# Altium PCB PCB1.PcbDoc (continued)
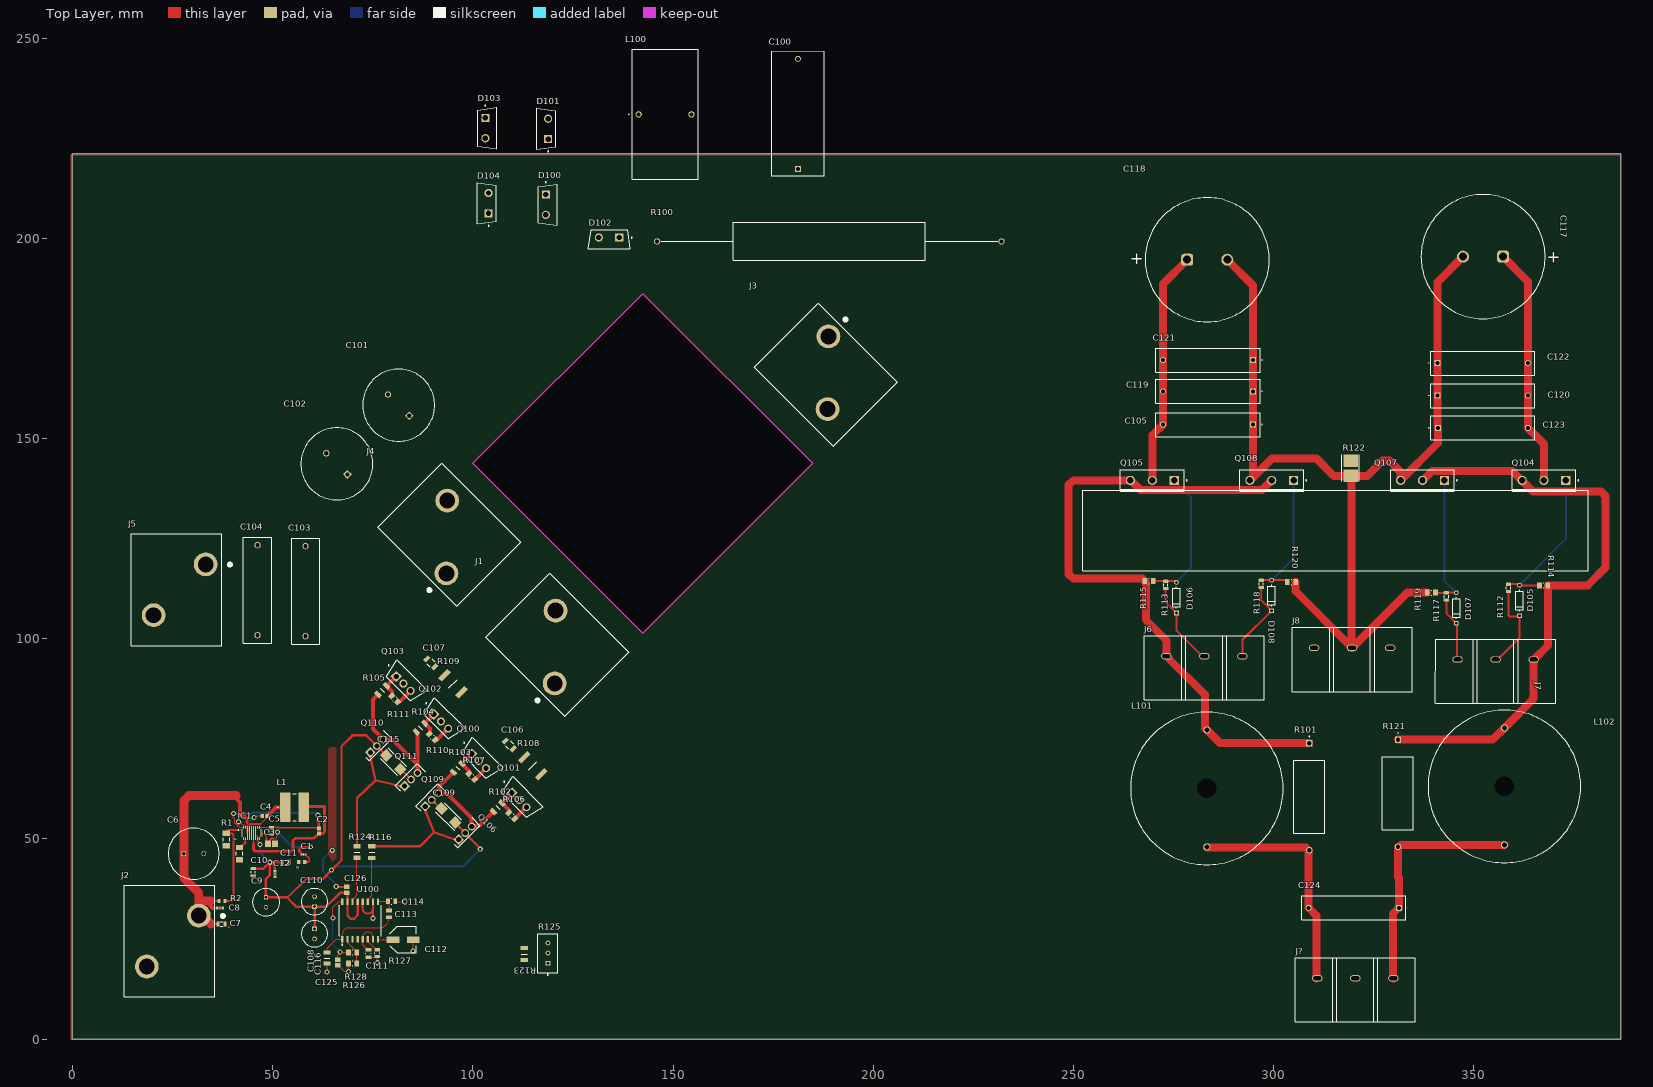
[diagram p0: Top Layer view]
## Footprints (in the part's own frame and the unit in brackets; to place one, negate y for a bottom-side part, rotate by r counter-clockwise, add the part's x,y. Pads: shape width x height; smd on the part's side, far side on the other; paste and mask are expansions set on the pad) (continued)
  rect 1.1x1.8 smd: 1(-1.45,0) 2(1.45,0)
  silkscreen extent 0,-0.7 0,0.7, body extent -1.55,-0.8 1.55,0.8, height 0.65
RESC3216X60N [mm]
  rect 1.05x1.8 smd: 1(-1.5,0) 2(1.5,0)
  silkscreen extent 0,-0.7 0,0.7, body extent -1.42,-0.74 1.78,0.86, height 0.55
RESC3216X60X45ML15T20 [mm] "Chip Resistor, 2-Leads, Body 3.3x1.75mm, IPC Low Density"
  rect 1.35x1.85 smd: 1(-1.525,0) 2(1.525,0)
  silkscreen extent -0.45,-0.82 0.45,0.82, body extent -1.65,-0.87 1.65,0.87, height 0.6
RESC6332X70N [mm]
  rect 1.25x3.35 smd: 1(-3,0) 2(3,0)
  silkscreen extent 0,-1.47 0,1.47, body extent -3.15,-1.58 3.15,1.58, height 0.7
SQP10AJB100R [mm]
  round 1.575 hole 1.05: 1(0,0) 2(86,0)
  silkscreen extent 1,-4.75 85,4.75
TO229P290X760X1320-3P [mm]
  rect 1.92x1.92 hole 1.28: 1(0,0)
  round 1.92 hole 1.28: 2(2.29,0) 3(4.58,0)
  silkscreen extent -1.61,-1.19 6.19,1.71, body extent -1.51,-1.19 6.09,1.71, height 13.2
TPS55289RYQR [mm]
  rect 0.6x0.25 smd: 1(-2.4,0.75) 2(-2.4,0.25) 3(-2.4,-0.25) 4(-2.4,-0.75) 14(2.4,-0.75) 15(2.4,-0.25) 16(2.4,0.25) 17(2.4,0.75)
  rect 0.25x0.65 smd: 5(-2.04,-1.375) 13(2.04,-1.375) 18(2.04,1.375) 21(-2.04,1.375)
  rect 0.25x0.6 smd: 6(-1.54,-1.4) 12(1.54,-1.4) 19(1.54,1.4) 20(-1.54,1.4)
  rect 0.25x3.4 smd: 7(-1.04,0) 8(-0.54,0) 10(0.54,0) 11(1.04,0)
  rect 0.25x0.525 smd: 9(0,-1.438) 23(0,1.438)
  rect 0.33x2.35 smd: 22(0,0)
  silkscreen extent -3.3,0.7 -3.2,0.8, body extent -2.5,-1.5 2.5,1.5, height 1
VISH-TO-247AC-3 [mm] "FM, 3-Leads, Body 15.9x5.35mm, Pitch 5.46mm"
  rect 2.3x2.3 hole 1.6: 1(0,5.46)
  round 2.3 hole 1.6: 2(0,0) 3(0,-5.46)
  silkscreen extent -2.67,-7.95 2.74,8.72, body extent -2.64,-7.95 2.71,7.95, height 25.11
WCAP-AIG8_D30H30 [mm] "Aluminium Electrolytic Snap-In Capacitors, 30x30mm"
  rrect50% 3x3 hole 2: 1(5,0)
  round 3 hole 2: 2(-5,0)
  silkscreen extent -15.5,-15.5 15.5,15.5, body extent -21.21,-21.2 21.2,21.21, height 30.19

## Part data
C1: library part CMP-001-00066-3, "Chip Capacitor, 1nF +/-20%, 50V, 0402, Thickness 0.33 mm", Case/Package=0402, Max Operating Temperature=85°C, Min Operating Temperature=-55°C, Tolerance=10%, Voltage Rating=50V, Mounting Technology=SMT, Pins=2
C2 C4: library part CMP-001-00017-6, "Chip Capacitor, 100 nF, +/- 10%, 50 V, 0603 (1608 Metric)", Capacitor Type=Ceramic, Case/Package=0603, Max Operating Temperature=125°C, Min Operating Temperature=-55°C, Tolerance=10%, Voltage Rating=50V, Mounting Technology=SM, Pins=2, RoHS Compliant=True
C3: library part CMP-001-00010-6, "Chip Capacitor, 5.1pF, +/-10%, 250 V, 0805 (2012 Metric)", Capacitor Type=Ceramic, Case/Package=0805, Max Operating Temperature=125°C, Min Operating Temperature=-55°C, Tolerance=10%, Voltage Rating=25V, Mounting Technology=SM, Pins=2, RoHS Compliant=True
C5: library part CMP-001-00080-4, "Chip Capacitor, 4.7µF +/-40%, 25V, 0805, Thickness 1.45 mm", Case/Package=0805, Max Operating Temperature=85°C, Min Operating Temperature=-55°C, Tolerance=20%, Voltage Rating=25V, Mounting Technology=SMT, Pins=2
C6: library part UPW0J222MHD, "56uF 250V Aluminum Electrolytic Capacitors Through Hole,D12.5xL20mm 10000hrs@105℃", Manufacturer_Name=Nichicon, Mouser Part Number=647-UPW0J222MHD, Datasheet Link=https://componentsearchengine.com/Datasheets/1/UPW0J222MHD.pdf, Height=20mm, Manufacturer_Part_Number=UPW0J222MHD, Mouser Price/Stock=https://www.mouser.co.uk/ProductDetail/Nichicon/UPW0J222MHD?qs=xKlMw8j03VdQkAIq%2FPYnUg%3D%3D
C7 C10 C11: library part CMP-001-00081-4, "Chip Capacitor, 22µF +/-20%, 25V, 0805, Thickness 1.45 mm X5R", Case/Package=0805, Max Operating Temperature=85°C, Min Operating Temperature=-55°C, Tolerance=5%, Voltage Rating=16V, Mounting Technology=SMT, Pins=2
C8 C12: library part CMP-001-00078-4, "Chip Capacitor, 1µF +/-40%, 50V, 0603, Thickness 1 mm", Case/Package=0603, Max Operating Temperature=85°C, Min Operating Temperature=-55°C, Tolerance=10%, Voltage Rating=50V, Mounting Technology=SMT, Pins=2
C9: library part MAL203856101E3, "100uF 35V Aluminum Electrolytic Capacitors Through Hole,D6.3xL11mm 6000hrs@105℃", Manufacturer_Name=Vishay, Mouser Part Number=594-MAL203856101E3, Arrow Part Number=MAL203856101E3, Arrow Price/Stock=https://www.arrow.com/en/products/mal203856101e3/vishay, Datasheet Link=https://componentsearchengine.com/Datasheets/2/MAL203856101E3.pdf, Height=12.5mm, Manufacturer_Part_Number=MAL203856101E3, Mouser Price/Stock=https://www.mouser.co.uk/ProductDetail/Vishay-BC-Components/MAL203856101E3?qs=G99oyVYclWUG3wiHKtPKfA%3D%3D
C100: library part ECW-FE2J225P5, "C3D1U405KB00C00", Manufacturer_Name=Panasonic, Datasheet Link=https://industrial.panasonic.com/cdbs/www-data/pdf/RDI0000/ABD0000C202.pdf, Height=23.5mm, Manufacturer_Part_Number=ECW-FE2J225P5
C101 C102: library part EEU-FC1V152S, "35ZLH1500MEFC12.5X30", Manufacturer_Name=Panasonic, Mouser Part Number=667-EEU-FC1V152S, Arrow Part Number=EEU-FC1V152S, Arrow Price/Stock=https://www.arrow.com/en/products/eeu-fc1v152s/panasonic, Datasheet Link=http://industrial.panasonic.com/cdbs/www-data/pdf/RDF0000/ABA0000C1209.pdf, Height=22mm, Manufacturer_Part_Number=EEU-FC1V152S, Mouser Price/Stock=https://www.mouser.com/Search/Refine.aspx?Keyword=667-EEU-FC1V152S
C103 C104: library part R75IN41004040J, "C322C105J60C350", Manufacturer_Name="Yageo Group", Mouser Part Number=80-R75IN41004040J, Datasheet Link=https://www.yageogroup.com/content/datasheet/asset/file/KEM_F3106_R75, Height=16mm, Manufacturer_Part_Number=R75IN41004040J, Mouser Price/Stock=https://www.mouser.co.uk/ProductDetail/KEMET/R75IN41004040J?qs=pfd5qewlna63QSQqVCHX%2Fw%3D%3D
C105 C119 C120 C123: library part 222233915224, "220nF Film Capacitor ±5% 630V Through Hole P=22.5mm", Manufacturer_Name=Vishay, Mouser Part Number=N/A, Datasheet Link=https://www.vishay.com/docs/28138/mkp339x2.pdf, Height=15.5mm, Manufacturer_Part_Number=222233915224, Mouser Price/Stock=https://www.mouser.co.uk/ProductDetail/Vishay-BC-Components/222233915224?qs=vkgpMzy1B9Fp9IMdtZOLlw%3D%3D
C106 C107: library part CMP-03020-021254-1, "CAP CER 4700PF 100V 10% X7R 1206 / CC1206KRX7R0BB472", Capacitance="4,700 pF", Manufacturer=KEMET, Manufacturer Part Number=C1206C472K1RACTU, Package=C1206C-EB, Temperature="-55°C to +150°C", Temperature Characteristic=X7R, Temperature Coefficient=15%, Temperature Range High=+150°C, Temperature Range Low=-55°C, Tolerance=0.1, Voltage Rating="100 V", Automotive=Yes, Automotive Grade="Grade 0", Category=Cap, ComponentLink2Description=Datasheet, ComponentLink2URL=https://content.kemet.com/datasheets/KEM_C1007_X8R_ULTRA_150C_SMD.pdf, Device Class L1="Passive Components", Device Class L2=Capacitors, Device Class L3="Ceramic Capacitors", Digikey Description="CAP CER 4700PF 100V 10% X7R 1206", Height=0.88mm, Ipc Land Pattern Name=CAPC320160X78, Lead Free=Yes, Material=Ceramic, Mouser Description="1206 4.7nF Ceramic Multilayer Capacitor; 100V dc; 125C; X7R Dielectric; +/-10% SMD", Octopart=https://octopart.com/c1206c472k1ractu-kemet-3865440, RoHS=TRUE
C108 C110: library part EEU-FC1V470, "EEU-FC1V470", Manufacturer_Name=Panasonic, Mouser Part Number=667-EEU-FC1V470, Arrow Part Number=EEU-FC1V470, Arrow Price/Stock=https://www.arrow.com/en/products/eeu-fc1v470/panasonic?region=nac, Datasheet Link=http://industrial.panasonic.com/cdbs/www-data/pdf/RDF0000/ABA0000C1209.pdf, Height=12.2mm, Manufacturer_Part_Number=EEU-FC1V470, Mouser Price/Stock=https://www.mouser.co.uk/ProductDetail/Panasonic/EEU-FC1V470?qs=LcHzz5wiUnXQHudKE6FiUA%3D%3D
C109 C115: "Capacitor Polarised", Manufacturer_Name=Vishay, Mouser Part Number=74-293D226X9025C2TE3, Arrow Part Number=293D226X9025C2TE3, Arrow Price/Stock=https://www.arrow.com/en/products/293d226x9025c2te3/vishay?utm_currency=USD&region=nac, Datasheet Link=http://www.vishay.com/docs/40002/293d.pdf, Height=2.8mm, Manufacturer_Part_Number=293D226X9025C2TE3, Mouser Price/Stock=https://www.mouser.co.uk/ProductDetail/Vishay-Sprague/293D226X9025C2TE3?qs=dG4nGvFc7P9WRSkI1DdLhQ%3D%3D
C111: library part CMP-1036-03591-2, "CAP CER 4700PF 50V X7R 0805", Capacitance="4.7 nF", Manufacturer=Yageo, Package=CC0805-0.85, Temperature="-30°C to +85°C", Temperature Characteristic=X7R, Temperature Range High=+85°C, Temperature Range Low=-30°C, Tolerance=0.1, Voltage Rating="50 V", Automotive=No, Category=Cap, ComponentLink2Description=Datasheet, ComponentLink2URL=http://www.yageo.com/documents/recent/UPY-GPHC_Y5V_6.3V-to-50V_8.pdf, Device Class L1="Passive Components", Device Class L2=Capacitors, Device Class L3="Ceramic Capacitors", Digikey Description="CAP CER 4700PF 50V X7R 0805", Footprint Url=http://www.yageo.com/exep/pages/download/literatures/UPY-C_GEN_24.pdf, Height=0.95mm, Ipc Land Pattern Name=CAPC200125X85, Lead Free=Yes, Manufacturer Part Number=CC0805KRX7R9BB472, Material=Ceramic, Mouser Description="Multilayer Ceramic Capacitors MLCC - SMD/SMT 4.7nF 50V X7R 10%", Octopart=https://octopart.com/cc0805krx7r9bb472-yageo-192986, RoHS=TRUE
C112: library part EEE-1VA101XP, "EEE-1VA101XP", Manufacturer_Name=Panasonic, Mouser Part Number=667-EEE-1VA101XP, Arrow Part Number=EEE-1VA101XP, Arrow Price/Stock=https://www.arrow.com/en/products/eee-1va101xp/panasonic?region=europe, Datasheet Link=http://industrial.panasonic.com/cdbs/www-data/pdf/RDE0000/ABA0000C1145.pdf, Height=7.8mm, Manufacturer_Part_Number=EEE-1VA101XP, Mouser Price/Stock=https://www.mouser.co.uk/ProductDetail/Panasonic/EEE-1VA101XP?qs=wEytwf7f49FM0EqQXrBRGQ%3D%3D
C113: library part GRM21BR71H473KA01L, "GRM21BR71H473KA01L", Manufacturer_Name="Murata Electronics", Mouser Part Number=81-GRM40X473K50L, Arrow Part Number=GRM21BR71H473KA01L, Arrow Price/Stock=https://www.arrow.com/en/products/grm21br71h473ka01l/murata-manufacturing?region=europe, Datasheet Link=https://search.murata.co.jp/Ceramy/image/img/A01X/G101/ENG/GRM21BR71H473KA01-01.pdf, Height=1.45mm, Manufacturer_Part_Number=GRM21BR71H473KA01L, Mouser Price/Stock=https://www.mouser.co.uk/ProductDetail/Murata-Electronics/GRM21BR71H473KA01L?qs=sMEX%2F0vXHgl0Nq00%252BwNcXQ%3D%3D
C114: library part CMP-1036-03842-3, "CAP CER 10000PF 50V X7R 0805 / CC0805KRX7R9BB103", Capacitance="10 nF", Manufacturer=Yageo, Manufacturer Part Number=CC0805KRX7R9BB103, Package=CC0805-0.85, Temperature="-30°C to +85°C", Temperature Characteristic=X7R, Temperature Range High=+85°C, Temperature Range Low=-30°C, Tolerance=0.1, Voltage Rating="50 V", Automotive=No, Category=Cap, ComponentLink2Description=Datasheet, ComponentLink2URL=http://www.yageo.com/documents/recent/UPY-GPHC_Y5V_6.3V-to-50V_8.pdf, Device Class L1="Passive Components", Device Class L2=Capacitors, Device Class L3="Ceramic Capacitors", Digikey Description="CAP CER 10000PF 50V X7R 0805", Footprint Url=http://www.yageo.com/exep/pages/download/literatures/UPY-C_GEN_24.pdf, Height=0.95mm, Ipc Land Pattern Name=CAPC200125X85, Lead Free=Yes, Material=Ceramic, Mouser Description="Multilayer Ceramic Capacitors MLCC - SMD/SMT 10nF 50V X7R 10%", Octopart=https://octopart.com/cc0805krx7r9bb103-yageo-192989, RoHS=TRUE
C116: library part C1206C101J5GACTU7990, "C1206C101J5GACTU7990", Manufacturer_Name="Yageo Group", Arrow Part Number=C1206C101J5GACTU7990, Arrow Price/Stock=https://www.arrow.com/en/products/c1206c101j5gactu7990/kemet-corporation, Datasheet Link=https://www.kemet.com/specsheet/C1206C101J5GACTU, Height=0.88mm, Manufacturer_Part_Number=C1206C101J5GACTU7990
C117 C118: library part CMP-03913-54202287-2, "270uF ±20% 450V Aluminum Electrolytic Capacitors Through Hole,D30xL25mm", Capacitance=150µF, Case/Package=Radial, ESR (Equivalent Series Resistance)=580.56mΩ, Leakage Current=1.35mA, Max Operating Temperature=85°C, Min Operating Temperature=-25°C, Ripple Current=1.39A, Tolerance=20%, Voltage Rating=450V, Diameter=30mm, Height=31mm, Height - Seated (Max)=32.9946mm, Lead Pitch=10.0076mm, Length=31mm, Life (Hours)=2000hours, Mount="Through Hole", Pitch=10mm, Polarity=Polar, REACH SVHC=Unknown, RoHS=Compliant, Voltage Rating (DC)=450V
C121 C122: library part 222233915224, "1uF Film Capacitor ±5% 630V Through Hole P=22.5mm", Manufacturer_Name=Vishay, Mouser Part Number=N/A, Datasheet Link=https://www.vishay.com/docs/28138/mkp339x2.pdf, Height=15.5mm, Manufacturer_Part_Number=222233915224, Mouser Price/Stock=https://www.mouser.co.uk/ProductDetail/Vishay-BC-Components/222233915224?qs=vkgpMzy1B9Fp9IMdtZOLlw%3D%3D
C124: library part 222233915224, "2uF ±10% 275V 310V Safety Capacitor X2 Through Hole,P=22.5mm", Manufacturer_Name=Vishay, Mouser Part Number=N/A, Datasheet Link=https://www.vishay.com/docs/28138/mkp339x2.pdf, Height=15.5mm, Manufacturer_Part_Number=222233915224, Mouser Price/Stock=https://www.mouser.co.uk/ProductDetail/Vishay-BC-Components/222233915224?qs=vkgpMzy1B9Fp9IMdtZOLlw%3D%3D
C125: library part CMP-2007-03234-1, "C0805C105K3RACTU", Manufacturer=Kemet, Part Number=C0805C105K3RACTU
C126: library part CMP-2007-03344-1, Manufacturer=Murata, Part Number=GCM21BR71E104KA37L
D100 D101 D102 D103 D104: library part CMP-0902-00354-3, Average Rectified Current=8A, Breakdown Voltage=600V, Case/Package=TO-220-2, Forward Voltage=1.5V, Manufacturer Lifecycle Status=ACTIVE, Max Forward Surge Current (Ifsm)=100A, Max Operating Temperature=175°C, Min Operating Temperature=-65°C, Peak Reverse Current=10µA, Contact Plating=Tin, Current Rating=8A, Element Configuration=Single, Forward Current=8A, Height=9.27mm, Lead Free="Lead Free", Length=10.29mm, Lifecycle Status=Production, Max Repetitive Reverse Voltage (Vrrm)=600V, Max Reverse Voltage (DC)=600V, Max Surge Current=100A, NexarPartId=120366, Number of Pins=2, Output Current=8A, Peak Non-Repetitive Surge Current=100A, Polarity=Standard, Radiation Hardening=No, REACH SVHC="No SVHC", Recovery Time=60ns, Reverse Recovery Time=60ns, Reverse Voltage=600V, RoHS=Compliant, Schedule B="8541100080, 8541100080", Voltage Rating (DC)=600V, Weight=4.535924g, Width=4.82mm
D105 D106 D107 D108: library part CMP-07163-000046-1, "DIODE GEN PURP 100V 200MA DO35", Average Rectified Current=200mA, Capacitance=4pF, Case/Package=DO-35, Current=4A, Forward Current=300mA, Forward Voltage=1V, Max Forward Surge Current (Ifsm)=1A, Max Operating Temperature=175°C, Max Power Dissipation=500mW, Max Repetitive Reverse Voltage (Vrrm)=100V, Max Reverse Current=5uA, Min Operating Temperature=-65°C, Package Quantity=2000, Contact Plating=Tin, Current Rating=200mA, Diameter=1.91mm, Element Configuration=Single, Height=4.56mm, Lead Free="Lead Free", Length=4.56mm, Max Reverse Voltage (DC)=100V, Max Surge Current=4A, Mount="Through Hole", Number of Pins=2, Output Current=200mA, Outside Diameter=1.85mm, Packaging=Bulk, Peak Non-Repetitive Surge Current=4A, Polarity=Standard, Power Dissipation=500mW, Radiation Hardening=No, REACH SVHC="No SVHC", Recovery Time=4ns, Reverse Recovery Time=4ns, Reverse Voltage=100V, Series=-, Voltage=100V, Voltage Rating (DC)=100V, Weight=0.01lb, Width=1.91mm
IC1: "Integrated Circuit", Manufacturer_Name="Texas Instruments", Mouser Part Number=595-TPS55289RYQR, Arrow Part Number=TPS55289RYQR, Arrow Price/Stock=https://www.arrow.com/en/products/tps55289ryqr/texas-instruments.html?utm_currency=USD&region=nac, Datasheet Link=https://www.ti.com/lit/ds/symlink/tps55289.pdf?ts=1664818706180&ref_url=https%253A%252F%252Fwww.ti.com%252Fproduct%252FTPS55289%252Fpart-details%252FTPS55289RYQR%253FkeyMatch%253DTPS55289RYQR, Height=1mm, Manufacturer_Part_Number=TPS55289RYQR, Mouser Price/Stock=https://www.mouser.co.uk/ProductDetail/Texas-Instruments/TPS55289RYQR?qs=T%252BzbugeAwjhgaIN94Lbpjg%3D%3D
J1 J3 J4: "Connector", Manufacturer_Name=Molex, Mouser Part Number=538-38969-0002, Datasheet Link=https://www.mouser.com/datasheet/2/276/0389690002_TERMINAL_BLOCKS-138581.pdf, Height=21.9mm, Manufacturer_Part_Number=38969-0002, Mouser Price/Stock=https://www.mouser.co.uk/ProductDetail/Molex/38969-0002?qs=%2Fs3Y63xoe9mbpbSgf7b48A%3D%3D
J2 J5: library part 38969-0002, "38969-0002", Manufacturer_Name=Molex, Mouser Part Number=538-38969-0002, Datasheet Link=https://www.mouser.com/datasheet/2/276/0389690002_TERMINAL_BLOCKS-138581.pdf, Height=21.9mm, Manufacturer_Part_Number=38969-0002, Mouser Price/Stock=https://www.mouser.co.uk/ProductDetail/Molex/38969-0002?qs=%2Fs3Y63xoe9mbpbSgf7b48A%3D%3D
L1: library part CDRH6D18HPNP-101PC, "Inductor 3.9uH ,19.6mOhm, SMD, 6.7mm X 6.7mm", Manufacturer_Name=Sumida, Datasheet Link=https://4donline.ihs.com/images/VipMasterIC/IC/SMDC/SMDC-S-A0002849326/SMDC-S-A0002849326-1.pdf?hkey=EF798316E3902B6ED9A73243A3159BB0, Height=2mm, Manufacturer_Part_Number=CDRH6D18HPNP-101PC
L100: library part 2300LL-102-V-RC, "XR106125T202MV1L-2S", Manufacturer_Name=Bourns, Mouser Part Number=652-2300LL-102-V-RC, Arrow Part Number=2300LL-102-V-RC, Arrow Price/Stock=https://www.arrow.com/en/products/2300ll-102-v-rc/bourns?utm_currency=USD&region=nac, Datasheet Link=https://www.mouser.com/datasheet/2/54/2300ll_series-776387.pdf, Height=32.512mm, Manufacturer_Part_Number=2300LL-102-V-RC, Mouser Price/Stock=https://www.mouser.co.uk/ProductDetail/Bourns/2300LL-102-V-RC?qs=d7g9p1yFhWZHzfawXthNnQ%3D%3D
L101 L102: "Ind High Current RF Choke Bobbin Core 820uH 10% 1KHz Ferrite 7.2A RDL", Manufacturer_Name=Bourns, Mouser Part Number=542-1140-821K-RC, Arrow Part Number=1140-821K-RC, Arrow Price/Stock=https://www.arrow.com/en/products/1140-821k-rc/bourns?region=nac, Datasheet Link=http://www.farnell.com/datasheets/2907644.pdf, Height=26.162mm, Manufacturer_Part_Number=1140-821K-RC, Mouser Price/Stock=https://www.mouser.co.uk/ProductDetail/Bourns/1140-821K-RC?qs=uldbjxV5VG6iR4iAdZrl1Q%3D%3D
Q100 Q101 Q102 Q103: library part CMP-32901-000101-1, "MOSFET N-CH 150V 104A TO220AB", Continuous Drain Current=104A, Drain To Source Breakdown Voltage=150V, Drain To Source Resistance=9.3mΩ, Gate To Source Voltage=20V, Input Capacitace At Vds="5270pF @ 50V", Manufacturer="Infineon Technologies", Max Forward Diode Voltage=1.3V, Max Junction Temp=+175°C, Package=PG-TO220-3, Power Dissipation=380W, Pulse Drain Current=420A, Temperature="-55°C to +175°C", Temperature Range Low=-55°C, Automotive=No, Category=Trans, ComponentLink2Description=Datasheet, ComponentLink2URL=https://www.infineon.com/dgdl/irfb4115pbf.pdf?fileId=5546d462533600a401535615ba6a1e0f, Depletion Mode=False, Device Class L1="Discrete Semiconductors", Device Class L2=Transistors, Device Class L3=MOSFETs, Digikey Description="MOSFET N-CH 150V 104A TO220AB", Drain To Source Voltage=150V, Footprint Url=https://www.infineon.com/dgdl/po-to220ab-fp.pdf?fileId=5546d462580663ef0158068cfbee01be, Gate Charge At Vgs="77nC @ 10V", Height=19.8mm, Ipc Land Pattern Name=TO-220, Lead Free=Yes, Manufacturer Part Number=IRFB4115PBF, Mouser Description="MOSFET Operating temperature: -55...+175 °C Housing type: TO-220 Polarity: N Power dissipation: 380 W", Number Of Channels=1, Number Of N Channels=1, Octopart=https://octopart.com/irfb4115pbf-infineon-65873822, Reverse Recovery Charge=300nC, Reverse Recovery Time=86ns, RoHS=TRUE, Rthja Max=62°C/W, Standoff Height=3.37mm, Temperature Range High=+175°C, Threshold Vgs Max=5V, Threshold Vgs Min=3V, Turn Off Delay Time=41ns, Turn On Delay Time=18ns
Q104 Q105 Q107 Q108: library part CMP-2000-06478-1, "N-Channel Power MOSFET, 500 V, -55 to 150 degC, 3-Pin FM (TO-247), RoHS, Tube", Continuous Drain Current Id=20A, Drain Source Voltage Vds=500V, Manufacturer=Vishay, On Resistance Rds(on)=0.27ohm, Operating Temperature Max=150°C, Package Description="3-Pin Flange Mount Package, Body 15.58 x 4.945 mm, Pitch 5.46 mm", Package Reference=TO-247AC-3, Power Dissipation Pd=280W, Rds(on) Test Voltage Vgs=10V, Threshold Voltage Vgs=4V, Transistor Case Style=TO-247AC, Automotive Qualification Standard=-, Datasheet URL=https://datasheet.ciiva.com/17070/0900766b8079122f-17070730.pdf, Datasheet Version="Rev. A, 07/2008", Manufacturer URL=http://www.vishay.com/, Mounting Technology=ThroughHole, MSL=-, No. of Pins=3Pins, Product Range=-, SVHC=ToBeAdvised, Transistor Polarity=NChannel
Q106 Q110: "Transistor BJT NPN", Manufacturer_Name=STMicroelectronics, Mouser Part Number=511-2SD882, Arrow Part Number=2SD882, Arrow Price/Stock=https://www.arrow.com/en/products/2sd882/stmicroelectronics?utm_currency=USD&region=nac, Datasheet Link=https://www.st.com/resource/en/datasheet/2sd882.pdf, Height=2.9mm, Manufacturer_Part_Number=2SD882, Mouser Price/Stock=https://www.mouser.co.uk/ProductDetail/STMicroelectronics/2SD882?qs=48xh8PjiJp54c%2F0PmkMjUQ%3D%3D
Q109 Q111: "Transistor BJT PNP", Manufacturer_Name=STMicroelectronics, Mouser Part Number=511-2SB772, Datasheet Link=https://datasheet.datasheetarchive.com/originals/distributors/Datasheets-45/DSA-5248.pdf, Height=2.9mm, Manufacturer_Part_Number=2SB772, Mouser Price/Stock=https://www.mouser.co.uk/ProductDetail/STMicroelectronics/2SB772?qs=7kmgJcyZw9d2sYv58XGrqg%3D%3D
R1: library part CMP-009-00025-5, "Chip Resistor, 100 KOhm, +/- 1%, 0.25 W, -55 to 155 degC, 1206 (3216 Metric)", Case/Package=1206, Max Operating Temperature=155°C, Min Operating Temperature=-55°C, Power=250mW, Tolerance=1%, Voltage Rating=200V, Mounting Technology=SM, Pins=2, RoHS Compliant=True
R2: library part CMP-009-00023-5, "Chip Resistor, 715 KOhm, +/- 1%, 0.1 W, -55 to 155 degC, 0603 (1608 Metric)", Case/Package=0603, Max Operating Temperature=155°C, Min Operating Temperature=-55°C, Power=100mW, Tolerance=1%, Voltage Rating=50V, Mounting Technology=SM, Pins=2, RoHS Compliant=True
R3: library part CMP-009-00023-5, "Chip Resistor, 105 KOhm, +/- 1%, 0.1 W, -55 to 155 degC, 0603 (1608 Metric)", Case/Package=0603, Max Operating Temperature=155°C, Min Operating Temperature=-55°C, Power=100mW, Tolerance=1%, Voltage Rating=50V, Mounting Technology=SM, Pins=2, RoHS Compliant=True
R4: library part CMP-009-00025-5, "Chip Resistor, 48.7 KOhm, +/- 1%, 0.25 W, -55 to 155 degC, 200V, 1206 (3216 Metric)", Case/Package=1206, Max Operating Temperature=155°C, Min Operating Temperature=-55°C, Power=250mW, Tolerance=1%, Voltage Rating=200V, Mounting Technology=SM, Pins=2, RoHS Compliant=True
R100: library part SQP10AJB-1K2, "SQP10AJB-1K2", Manufacturer_Name="Yageo Group", Mouser Part Number=603-SQP10AJB-1K2, Datasheet Link=https://datasheet.datasheetarchive.com/originals/distributors/Datasheets_SAMA/93bf563c2b531d562506a92f6e9f509a.pdf, Height=10mm, Manufacturer_Part_Number=SQP10AJB-1K2, Mouser Price/Stock=https://www.mouser.co.uk/ProductDetail/YAGEO/SQP10AJB-1K2?qs=KUIzHt%2Fe91lQt12IWbZ47A%3D%3D
R101 R121: library part CMP-00030-42521983-1, "AC05000001200JAC00 Resistor, 120 Ohm, ± 5%, 5 W, Axial Leaded, Wirewound, General Purpose", Case/Package=Axial, Max Operating Temperature=275°C, Max Power Dissipation=5W, Min Operating Temperature=0°C, Resistance=120Ω, Temperature Coefficient=-80ppm/°C, Tolerance=5%, Voltage Rating=24V, Composition=Wirewound, Contact Plating=Tin, Diameter=7.5mm, Features="Flame Retardant Coating", Lead Diameter=800µm, Lead Free="Lead Free", Length=18mm, Military Standard=Not, NexarPartId=42521983, Number of Pins=2, Number of Terminations=2, Packaging="Tape & Box (TB)", Power Rating=5W, Radiation Hardening=No, REACH SVHC=Unknown, RoHS=Compliant, Schedule B="8533210080, 8533210080", Termination=Axial, Voltage Rating (DC)=24V, Width=7.49mm
R102 R103 R104 R105: library part CRCW120610R0FKEA, "CRCW120610R0FKEA", Manufacturer_Name=Vishay, Mouser Part Number=71-CRCW1206-10-E3, Arrow Part Number=CRCW120610R0FKEA, Arrow Price/Stock=https://www.arrow.com/en/products/crcw120610r0fkea/vishay?utm_currency=USD&region=nac, Datasheet Link=http://www.vishay.com/docs/20035/dcrcwe3.pdf, Height=0.6mm, Manufacturer_Part_Number=CRCW120610R0FKEA, Mouser Price/Stock=https://www.mouser.co.uk/ProductDetail/Vishay-Dale/CRCW120610R0FKEA?qs=ODaLBy2SlZEomzAFMQRuoA%3D%3D
R106 R107 R110 R111: library part CMP-2001-04908-2, "RES Thick Film, 10kΩ, 1%, 0.125W, 100ppm/°C, 0805, CRCW080510K0FKEA", Case Code (Imperial)=0805, Case Code (Metric)=2012, Max Operating Temperature=155°C, Min Operating Temperature=-55°C, Package Quantity=5000, Power Rating=125mW, Resistance=10kR, Temperature Coefficient=100ppm/°C, Tolerance=1%, Voltage Rating=150V, Case/Package=0805, Composition="Thick Film", Contact Plating=Tin, Depth=1.25mm, Height=0.45mm, Lead Free="Lead Free", Length=2mm, Military Standard=Not, Packaging="Tape and Reel", Radiation Hardening=No, Termination=SMD/SMT, Voltage Rating (DC)=150V, Weight=0.000194oz, Width=1.25mm
R108 R109: library part CRCW251210R0FKEG, "CRCW251210R0FKEG", Manufacturer_Name=Vishay, Mouser Part Number=71-CRCW2512-10-E3, Arrow Part Number=CRCW251210R0FKEG, Arrow Price/Stock=https://www.arrow.com/en/products/crcw251210r0fkeg/vishay?utm_currency=USD&region=nac, Datasheet Link=http://www.vishay.com/docs/20035/dcrcwe3.pdf, Height=0.7mm, Manufacturer_Part_Number=CRCW251210R0FKEG, Mouser Price/Stock=https://www.mouser.co.uk/ProductDetail/Vishay-Dale/CRCW251210R0FKEG?qs=VTHkDwr%2FZpkb635FFTvRPg%3D%3D
R112 R113 R117 R118: library part CMP-009-00102-2, "4.7 Ohm 0.125W 5% 0805 (2012 Metric)  SMD", Case/Package=0805, Power=125mW, Tolerance=5%, Mounting Technology=SMT, Pins=2
R114 R115 R119 R120: library part CMP-009-00018-5, "Chip Resistor, 10 KOhm, +/- 1%, 125 mW, -55 to 155 degC, 0805 (2012 Metric)", Case/Package=0805, Max Operating Temperature=155°C, Min Operating Temperature=-55°C, Power=125mW, Tolerance=1%, Voltage Rating=150V, Mounting Technology=SM, Pins=2, RoHS Compliant=True
R116: library part CRCW120612R0FKEAHP, "CRCW120612R0FKEAHP", Manufacturer_Name=Vishay, Mouser Part Number=71-CRCW120612R0FKEAH, Arrow Part Number=CRCW120612R0FKEAHP, Arrow Price/Stock=https://www.arrow.com/en/products/crcw120612r0fkeahp/vishay?region=nac, Datasheet Link=http://www.vishay.com/docs/20035/dcrcwe3.pdf, Height=0.65mm, Manufacturer_Part_Number=CRCW120612R0FKEAHP, Mouser Price/Stock=https://www.mouser.co.uk/ProductDetail/Vishay-Dale/CRCW120612R0FKEAHP?qs=40TFAHZMFvfoWh3r5QltXA%3D%3D
R122: library part CMP-08839-031888-1, "RES 0.1 OHM 1% 7W 2512", Case Code (Imperial)=2512, Case Code (Metric)=6432, Max Operating Temperature=170°C, Max Power Dissipation=3W, Min Operating Temperature=-55°C, Resistance=100mR, Resistor Type="Metal Element", Temperature Coefficient=20ppm/°C, Tolerance=1%, Case/Package=2512, Features="Automotive AEC-Q200", Number of Terminations=2, Packaging="Cut Tape"
R123: library part CRCW1206390KFKEA, "CRCW1206390KFKEA", Manufacturer_Name=Vishay, Mouser Part Number=71-CRCW1206-390K-E3, Datasheet Link=http://www.vishay.com/docs/20035/dcrcwe3.pdf, Height=0.6mm, Manufacturer_Part_Number=CRCW1206390KFKEA, Mouser Price/Stock=https://www.mouser.co.uk/ProductDetail/Vishay-Dale/CRCW1206390KFKEA?qs=v0cjL%2FPx3nzEevIf9clm%2Fw%3D%3D
R124: "Resistor", Manufacturer_Name=Vishay, Mouser Part Number=71-CRCW120612R0FKEAH, Arrow Part Number=CRCW120612R0FKEAHP, Arrow Price/Stock=https://www.arrow.com/en/products/crcw120612r0fkeahp/vishay?region=nac, Datasheet Link=http://www.vishay.com/docs/20035/dcrcwe3.pdf, Height=0.65mm, Manufacturer_Part_Number=CRCW120612R0FKEAHP, Mouser Price/Stock=https://www.mouser.co.uk/ProductDetail/Vishay-Dale/CRCW120612R0FKEAHP?qs=40TFAHZMFvfoWh3r5QltXA%3D%3D
R125: library part CMP-1747-00001-8, "TRIMMER 10K OHM 0.5W PC PIN TOP", Color=Blue, Insulation Resistance=1GR, Max Operating Temperature=125°C, Max Power Dissipation=500mW, Min Operating Temperature=-55°C, Package Quantity=50, Resistance=10kR, Resistance Tolerance=10%, Resistor Type=Cermet, Temperature Coefficient=100ppm/°C, Contact Plating=Tin, Depth=4.83mm, Height=11.55mm, Lead Free="Lead Free", Length=9.53mm, Military Standard=Not, Mount="Through Hole", Number of Turns=25, Packaging=Rail/Tube, Power Rating=500mW, Radiation Hardening=No, Reach SVHC Compliant=Yes, RoHS Compliant=Yes, Series=3296, Taper=Linear, Technology=CERMET, Termination=Pin, Tolerance=10%, Weight=0.03oz, Width=9.53mm
R126 R128: library part CMP-2001-04106-2, "RES Thick Film, 75kΩ, 1%, 0.125W, 100ppm/°C, 0805 / CRCW080575K0FKEA / CRCW080575K0FKEA", Case Code (Imperial)=0805, Case Code (Metric)=2012, Max Operating Temperature=155°C, Max Power Dissipation=125mW, Min Operating Temperature=-55°C, Package Quantity=10, Resistance=75kR, Resistance Tolerance=1%, Resistor Type="Thick Film", Temperature Coefficient=100ppm/°C, Voltage Rating=150V, Case/Package=0805, Construction=Rectangular, Contact Plating=Tin, Depth=1.25mm, Features="Automotive AEC-Q200", Height=0.45mm, Lead Free="Lead Free", Length=2mm, Military Standard=Not, Mount="Surface Mount", Number of Pins=2, Number of Terminations=2, Packaging="Tape and Reel", Power Rating=125mW, Radiation Hardening=No, RoHS Compliant=Yes, Series=CRCW, Technology="THICK FILM", Termination=SMD/SMT, Tolerance=1%, Voltage Rating (DC)=150V, Weight=0.000194oz, Width=0.049inch, Working Voltage=150V
R127: library part CMP-2001-03869-2, "RES Thick Film, 3kΩ, 1%, 0.125W, 100ppm/°C, 0805 / CRCW08053K00FKEA", Case Code (Imperial)=0805, Case Code (Metric)=2012, Max Operating Temperature=155°C, Max Power Dissipation=125mW, Min Operating Temperature=-55°C, Package Quantity=10, Resistance=3kR, Temperature Coefficient=100ppm/°C, Tolerance=1%, Voltage Rating=150V, Case/Package=0805, Composition="Thick Film", Contact Plating=Tin, Depth=1.25mm, Features="Automotive AEC-Q200", Height=0.45mm, Lead Free="Lead Free", Length=2mm, Military Standard=Not, Number of Terminations=2, Packaging="Tape and Reel", Power Rating=125mW, Radiation Hardening=No, Termination=SMD/SMT, Voltage Rating (DC)=150V, Weight=0.000194oz, Width=1.25mm, Working Voltage=150V
U100: library part CMP-00278-00724779-1, "SG3525ADWR2G Voltage Mode PWM Controller 400mA 400kHz 16-Pin SOIC W T/R / IC REG CTRLR PUSH-PULL 16SOIC", Ambient Temperature Range High=70°C, Case/Package=SOIC, Frequency=400kHz, Manufacturer Lifecycle Status=ACTIVE, Max Junction Temperature (Tj)=150°C, Max Power Dissipation=1W, Max Supply Current=20mA, Max Supply Voltage=35V, Min Operating Temperature=0°C, Min Supply Voltage=8V, Output Current=100mA, Output Voltage=18V, Duty Cycle=49%, Fall Time=50ns, Halogen Free="Halogen Free", Height=2.4mm, Lead Free="Lead Free", Length=10.45mm, Lifecycle Status=Production, Max Duty Cycle=49%, Max Frequency=400kHz, Max Operating Temperature=70°C, Mount="Surface Mount", NexarPartId=724779, Nominal Input Voltage=8V, Number of Outputs=2, Number of Pins=16, Packaging=Digi-Reel®, Radiation Hardening=No, REACH SVHC="No SVHC", Rise Time=100ns, RoHS=Compliant, Schedule B="8542390000, 8542390000", Switching Frequency=400kHz, Topology=Push-Pull, Width=7.6mm

## Via types
v1: diameter 1.27, hole 0.711, Top Layer to Bottom Layer, 20 vias

## Nets (pads, with @x,y where several pads share a name; then routed paths per layer and width w, separated by ;. In a path a pad name is that pad's centre, name@x,y a point inside that pad or via, vN(x,y) a via of type N, cw(c..) or ccw(c..) an arc to the next point about the centre after c; other vN are vias at no path point)
1HO: D106.1 J6.2 R113.1 | length 21.2
  Top Layer w0.5: R113.1 273.025,109.137 D106.1 275.7,102.125 282.175,95.65 J6.2
1LO: D108.1 J6.3 R118.1 | length 21.3
  Top Layer w0.5: J6.3 292.175,99.699 D108.1 296.875,109.599 R118.1
2HO: D105.1 J7.2 R112.1 | length 22.6
  Top Layer w0.5: J7.2 355.9,94.825 361.375,100.3 D105.1 361.213,105.575 358.918,105.575 358.625,105.868 R112.1
2LO: D107.1 J7.1 R117.1 | length 16
  Top Layer w0.5: R117.1 343.1,106.387 D107.1 345.75,103.737 345.75,94.975 J7.1
+12V_reg: C9.1 C10.2 C11.2 C12.2 C108.1 C109.1 C110.1 C115.1 C126.2 IC1.11 IC1.12 IC1.13 Q106.2 Q110.2 U100.13 U100.15 | length 178.4
  Top Layer w0.2: IC1.11 45.79,50.842 45.815,50.817 46.173,50.817 46.29,50.7 IC1.12 ; 46.29,49.412 IC1.12 ; IC1.13 46.765,50.1 IC1.12
  Top Layer w0.254: C126.2 cw(c68.5,36.35) C126.2@68.7,36.35
  Top Layer w0.4: 46.29,49.412 v1@46.85,48.852
  Top Layer w0.6: C10.2 47.69,42.59 v1(49.3,44.2) ; C12.2 50.525,42 50.525,42.975 v1(49.3,44.2) ; C11.2@52.335,44.1 52.335,44.12 52.255,44.2 v1(49.3,44.2) ; 53.525,35.45 55.875,33.1 C110.1 ; C108.1 C110.1 ; C126.2 66.85,36.55 63.4,33.1 C110.1 ; C126.2@68.7,36.35 U100.15 68.7,30.875 69.475,30.1 70.4,30.1 71.24,30.94 U100.13 ; C115.1 77.761,71.489 Q110.2 73.375,75.875 69.925,75.875 67.2,73.15 67.2,44.7 v1(64.725,42.225) 62.55,40.05 58.4,40.05 53.8,35.45 C9.1 48.325,35.475 48.325,40 49.3,40.975 v1(49.3,44.2) ; C109.1 96.157,53.43 Q106.2 98.106,51.338 101.85,47.593 v1(101.85,47.45)
  Bottom Layer w0.6: v1(46.85,48.65) 46.85,46.7 49.3,44.25 v1(49.3,44.2) ; v1(64.725,42.225) 64.906,42.225 65.831,43.15 97.55,43.15 v1(101.85,47.45)
+400: C100.2 C105.2 C117.1 C118.1 C119.2 C120.2 C121.2 C122.2 C123.2 L100.2 Q104.2 Q105.2 R100.2 R123.1 | length 118.8
  Top Layer w2: Q105.2 269.675,150.825 C105.2 C121.2 272.35,188.6 C118.1 ; C117.1 363.45,189.25 C122.2 C120.2 363.45,152.675 C123.2 367.475,148.65 Q104.2
Center_tap: C101.1 C102.1 C103.2 C104.2 J4.2 J5.1
Comp: C113.2 C114.1 U100.9 | length 5
  Top Layer w0.254: U100.9 76.455,34.45 C114.1 79.075,34.175 C113.2
CT: C111.1 U100.5 U100.7 | length 8.4
  Top Layer w0.254: C111.1 73.725,22.325 72.51,23.54 U100.5 72.51,25.535 cw(c73.725,25.535) 73.725,26.75 cw(c73.725,25.425) 75.05,25.425 U100.7
GATEA: Q106.3 Q109.3 R102.1 R103.1 | length 26.9
  Top Layer w1: R103.1 91.545,63.07 91.545,61.57 Q109.3 93.606,61.394 99.725,55.275 Q106.3 99.901,53.276 101.576,53.276 R102.1
GATEB: Q110.3 Q111.3 R104.1 R105.1 | length 34.4
  Top Layer w1: R105.1 75.05,84.825 75.05,77.439 Q110.3 79.931,74.844 86.194,68.581 ; R104.1 86.13,76.474 86.13,68.645 86.194,68.581 ; Q111.3 86.194,68.581
GND: C3.1 C5.1 C6.2 C7.1 C8.1 C9.2 C10.1 C11.1 C12.1 C100.1 C101.2 C102.2 C103.1 C104.1 C108.2 C109.2 C110.2 C111.2 C112.2 C114.2 C115.2 C116.1 C125.2 C126.1 D103.3 D104.3 IC1.2 IC1.5 IC1.9 IC1.17 IC1.22 IC1.23 J2.2 J5.2 J?.2 Q100.3 Q101.3 Q102.3 Q103.3 Q109.2 Q111.2 R1.2 R3.1 R4.1 R106.1 R107.1 R108.1 R109.1 R110.1 R111.1 R122.1 R125.2 R126.1 R127.1 U100.10 U100.12 | length 67.2
  Top Layer w0.254: IC1.9 IC1.22 IC1.23 ; v1(63.575,16.75) 63.6,16.775 C116.1 C116.1@63.625,18.9 ; C125.2 66.425,18.45 67.909,16.966 68.859,16.966 v1(68.925,16.9) 68.923,16.902 R126.1 ; C111.2 76.002,20.475 R127.1 v1(76.15,19.1) ; C114.2 80.75,34.35 v1(83.1,34.35) ; v1(85.1,22.05) C112.2
  Top Layer w0.5: v1(65.9,38.1) 65.95,38.05 C126.1 ; U100.12 72.51,32.59 ccw(c73.75,32.59) 73.75,31.35 ccw(c73.75,32.65) 75.05,32.65 ; v1(75.05,30.2) U100.10 ; C115.2 82.586,66.839 Q111.2 ; Q109.2 91.389,58.136 C109.2
  Top Layer w1: R111.1 81.307,84.332 81.791,84.332 Q103.3 ; R110.1 90.75,74.839 91.106,74.839 Q102.3 ; R107.1 100.518,64.866 103.315,67.663 Q100.3 ; R106.1 110.517,55.089 113.361,57.933 Q101.3
  Bottom Layer w0.5: v1(64.9,47.175) 64.825,47.175 62.55,44.9 62.55,41.95 65.753,38.747 65.753,38.247 v1(65.9,38.1)
IFBOUT: C105.1 C117.2 C118.2 C119.1 C120.1 C121.1 C122.1 C123.1 J8.2 Q107.3 Q108.3 R119.1 R120.1 R122.2 | length 255.5
  Top Layer w2: C118.2 294.85,188.2 C121.1 C119.1 C105.1 294.85,140.441 ; Q108.3 294.121,139.55 294.931,140.36 299.571,145 310.65,145 315.05,140.6 319.425,140.6 323.325,140.6 327.209,144.484 328.866,144.484 331.69,141.66 Q107.3 340.975,148.835 C123.1 340.95,152.675 C120.1 C122.1 340.95,189.1 C117.2 ; R120.1 305.475,111.875 319.075,98.275 319.075,98.125 319.475,97.725 319.675,97.725 320.075,98.125 320.075,98.225 333.375,111.525 R119.1 ; R122.2@319.1,140.6 319.425,140.275 319.425,100.2 J8.2@319.425,97.925
Inv: C113.1 C116.2 R123.2 R125.3 U100.1 | length 21.1
  Top Layer w0.254: C116.2 63.6,22.675 65.86,24.935 U100.1 67.43,26.155 cw(c69.075,26.155) 69.075,27.8 76.535,27.8 ccw(c76.535,30.34) 79.075,30.34 C113.1
Live: C124.2 J?.1 L101.2 R101.2 | length 58.4
  Top Layer w2: L101.2@283.3,47.825 308.1,47.825 308.725,47.2 C124.2 310.625,30.925 J?.1@310.625,15.225
NetC1_1: C1.1 R3.2 | length 3.3
  Top Layer w0.45: R3.2 58.05,44.225 58.886,44.225 59.15,44.489 59.15,45.15 58.175,46.125 C1.1
NetC1_2: C1.2 C3.2 IC1.15 | length 22.4
  Top Layer w0.2: IC1.15 47.825,51.25 48.475,50.6
  Top Layer w0.3: 48.475,50.175 48.475,50.6 ; 50.1,50.079 50.729,50.079 51.182,50.532 v1(51.182,51.716)
  Top Layer w0.5: 48.475,50.175 48.475,49.125 C3.2 49.3,49.3 49.3,49.738 49.641,50.079 50.1,50.079
  Top Layer w0.6: C1.2 57.275,46.3 56.699,46.876 56.699,47.374 57.317,47.992 v1(59.451,47.992)
  Bottom Layer w0.6: v1(51.182,51.716) 54.973,47.925 59.384,47.925 v1(59.451,47.992)
NetC2_1: C2.1 C5.2 IC1.18 IC1.19 IC1.21 | length 45.6
  Top Layer w0.2: v1(40.2,56.35) 40.133,56.283 40.133,55.342 40.536,54.939 40.536,53.89 41.115,53.311 41.318,53.311 41.754,52.875 IC1.21 ; IC1.19 46.765,52.9 IC1.18 46.805,52.89 C5.2
  Top Layer w0.4: C5.2 51.548,52.89 51.668,52.77 61.43,52.77 C2.1
  Top Layer w0.6: v1(61.3,55.925) 61.3,54.258 61.533,54.025 61.533,52.667 C2.1
  Bottom Layer w0.6: v1(40.2,56.35) 44.694,56.35 44.919,56.575 60.924,56.575 61.275,56.224 61.275,55.95 v1(61.3,55.925)
NetC2_2: C2.2 IC1.10 L1.2 | length 37
  Top Layer w0.2: 45.25,49.475 45.275,49.5 45.275,51.485 IC1.10
  Top Layer w0.4: 45.25,48.825 45.25,49.475
  Top Layer w0.7: 45.25,48.825 45.25,47.335 45.66,46.925 54.715,46.925 55.125,47.335 55.125,49.625 55.7,50.2 60.35,50.2 C2.2 62.54,51.4 62.95,51.81 62.925,51.835 62.925,58.15 58.025,58.15 L1.2
NetC4_1: C4.1 IC1.20 | length 9
  Top Layer w0.2: 42.925,53.604 42.932,53.604 43.189,53.347 43.189,52.921 IC1.20
  Top Layer w0.3: v1(41.525,54.3) 41.667,54.3 42.363,53.604 42.925,53.604 ; v1(45.4,55.375) 45.662,55.375 46.037,55.75 C4.1
  Bottom Layer w0.3: v1(41.525,54.3) 44.325,54.3 v1(45.4,55.375)
NetC4_2: C4.2 IC1.8 L1.1 | length 13
  Top Layer w0.2: IC1.8 44.229,51.519 44.229,53.65 44.329,53.75
  Top Layer w0.4: 44.329,53.75 46.992,53.75 48.375,55.133 48.375,55.475 C4.2
  Top Layer w1: C4.2 50.8,57.9 L1.1
NetC106_2: C106.2 R108.2
NetC107_2: C107.2 R109.2
NetD100_1: D100.1 D101.1 D102.3 L100.1
NetD102_1: D102.1 R100.1
NetD105_2: D105.2 Q104.1 R112.2 R114.2 | length 38.8
  Top Layer w0.5: R112.2 360.934,113.615 361.186,113.363 D105.2 366.337,113.363 R114.2
  Bottom Layer w0.5: D105.2 372.935,124.923 Q104.1
NetD106_2: D106.2 Q105.1 R113.2 R115.2 | length 34.6
  Top Layer w0.5: R115.2 269.935,114.365 R113.2 275.234,114.365 275.511,114.088 D106.2
  Bottom Layer w0.5: Q105.1 279.325,135.36 279.325,117.713 D106.2
NetD107_2: D107.2 Q107.1 R117.2 R119.2 | length 34.5
  Top Layer w0.5: R119.2 340.46,111.49 R117.2 343.112,111.502 345.588,111.502 D107.2
  Bottom Layer w0.5: Q107.1 342.61,114.503 D107.2
NetD108_2: D108.2 Q108.1 R118.2 R120.2 | length 34
  Top Layer w0.5: R118.2 296.88,114.62 299.47,114.62 D108.2 ; D108.2@299.47,114.615 303.025,114.615 303.375,114.265 R120.2
  Bottom Layer w0.5: D108.2 304.96,120.11 Q108.1
NetIC1_1: IC1.1 R1.1 R2.2 | length 24.9
  Top Layer w0.1: 41.525,52.25 IC1.1
  Top Layer w0.5: R2.2 39.882,34.575 40.175,34.868 40.175,51.107 39.882,51.4 R1.1 38.743,51.693 38.743,52.25 41.525,52.25
NetIC1_6: IC1.6 R4.2 | length 3
  Top Layer w0.2: 43.175,49.225 43.21,49.26 IC1.6
  Top Layer w0.6: R4.2 41.975,47.875 43.175,49.075 43.175,49.225
NetQ100_1: Q100.1 R103.2 R107.2 | length 6.8
  Top Layer w1: R107.2 99.139,66.45 99.139,66.908 R103.2 97.261,68.794 99.723,71.256 Q100.1
NetQ101_1: Q101.1 R102.2 R106.2 | length 6.8
  Top Layer w1: R106.2 109.107,56.682 109.107,57.115 R102.2 107.261,58.973 109.8,61.512 Q101.1
NetQ102_1: Q102.1 R104.2 R110.2 | length 6.5
  Top Layer w1: R110.2 89.264,76.325 89.264,77.547 87.986,78.825 R104.2 87.986,78.882 90.248,81.144 Q102.1
NetQ103_1: Q103.1 R105.2 R111.2 | length 6.5
  Top Layer w1: R111.2 79.821,85.818 79.821,86.819 78.45,88.19 R105.2 78.475,88.225 80.85,90.6 Q103.1
NetQ106_1: Q106.1 Q109.1 R116.2 | length 30.4
  Top Layer w0.5: Q109.1@88.131,57.152 Q109.1 ; Q106.1@95.482,49.861 Q106.1
  Top Layer w0.6: R116.2 86.775,48.15 90.3,51.7 ; Q109.1@88.131,57.152 90.3,51.7 ; Q106.1@95.482,49.861 90.3,51.7
NetQ110_1: Q110.1 Q111.1 R124.2 | length 32.9
  Top Layer w0.6: R124.2 71.075,60.2 75.7,64.625 ; Q110.1 74.406,70.602 75.7,64.625 ; Q111.1 81.952,63.231 75.7,64.625
Non_inv: R126.2 R128.2 U100.2 | length 6.9
  Top Layer w0.254: U100.2 68.863,24.772 68.863,23.988 71.025,21.826 R128.2 R126.2
Nuetral: C124.1 J?.3 L102.2 R121.2 | length 59.4
  Top Layer w2: J?.3 329.725,15.375 329.725,31.325 C124.1 331.225,40.338 331.025,40.538 R121.2 ; 331.795,48.52 L102.2
PWMA: R116.1 U100.11 | length 11.3
  Top Layer w0.254: U100.11 73.78,34.835 74.775,35.83 R116.1
PWMB: R124.1 U100.14 | length 11.4
  Top Layer w0.254: U100.14 69.97,34.835 71.075,35.94 R124.1
RT: R127.2 U100.6 | length 3.8
  Top Layer w0.254: U100.6 73.78,24.415 75.594,22.601 75.874,22.601 R127.2
SS: C112.1 U100.8 | length 3.8
  Top Layer w0.254: U100.8 ccw(c76.38,24.935) 76.38,24.875 C112.1
Tr_pri_H: C106.1 J1.1 Q100.2 Q101.2
Tr_pri_L: C107.1 J1.2 Q102.2 Q103.2
Tr_sec_H: D100.3 D104.1 J3.2
Tr_sec_L: D101.3 D103.1 J3.1
VBB: C6.1 C7.2 C8.2 IC1.7 J2.1 R2.1 | length 68.3
  Top Layer w0.1: IC1.7 43.725,51.515 43.725,53.475
  Top Layer w0.3: 43.625,54.1 43.725,54 43.725,53.475
  Top Layer w0.5: 34.525,34.525 36.55,34.525 R2.1 ; 34.575,28.8 36.285,28.8 C7.2 ; 35.025,32.775 C8.2 ; 39.06,28.025 39.085,28
  Top Layer w0.6: 43.625,54.1 43.625,54.975
  Top Layer w1: 34.525,34.525 34.525,33.275 35.025,32.775 ; 40.825,60.85 40.825,60.175 41.9,59.1 41.9,56.7 43.625,54.975
  Top Layer w2.2: 34.525,34.525 31.85,34.525 31.575,34.8 ; 34.575,28.8 32.525,30.85 J2.1 31.575,34.8 ; 40.825,60.85 29.139,60.85 27.85,59.561 27.85,57.475 27.85,40.3 31.575,36.575 31.575,34.8
Vref: C125.1 R128.1 U100.16 | length 19.1
  Top Layer w0.254: v1(65.05,30.25) 65.05,32.9 66.465,34.315 U100.16 ; C125.1 66.3,20.925 66.875,21.5 v1(66.875,21.775) 68.823,21.775 R128.1
  Bottom Layer w0.254: v1(65.05,30.25) 65.05,23.6 v1(66.875,21.775)
VS1: J6.1 L101.1 Q105.3 Q108.2 R101.1 R115.1 | length 165.3
  Top Layer w2: J6.1 273.175,99.625 268.046,104.754 268.046,114.154 R115.1 267.175,115.025 249.947,115.025 248.775,116.197 248.775,138.378 249.947,139.55 Q105.3 264.296,139.55 266.7,137.146 297.015,137.146 299.419,139.55 Q108.2 ; J6.1@273.475,95.45 273.675,95.25 273.675,95.15 282.775,86.05 282.775,77.755 L101.1 286.594,73.936 R101.1@308.864,73.936
VS2: J7.3 L102.1 Q104.3 Q107.2 R114.1 R121.1 | length 151.4
  Top Layer w2: R121.1 354.666,74.796 L102.1 364.9,85.03 J7.3 365,94.825 368.45,98.275 R114.1 378.425,113.35 382.875,117.8 382.875,135.628 381.703,136.8 364.765,136.8 Q104.3 361.934,139.55 359.53,141.954 339.635,141.954 337.231,139.55 Q107.2
pads on no net: IC1.3 IC1.4 IC1.14 IC1.16 J4.1 J8.1 J8.3 L101.3 L102.3 R125.1 U100.3 U100.4
copper on no net: | length 1455.5
  Top Layer w0.254: -0.275,0 386.65,0 386.65,220.85 -0.275,220.85 -0.275,0 ; 100.025,143.775 142.451,186.201 184.878,143.775 142.451,101.349 100.025,143.775

## Polygon pours and split planes (outlines as drawn)
GND on Bottom Layer "GND_L02_P000" (solid, pour order 0): 55.967,38.992 55.825,38.85 55.825,15.275 88.45,15.275 88.45,41.5 55.825,41.5
GND on Bottom Layer "GND_L02_P003" (solid, pour order 3): 68.75,46.725 69.106,46.369 ccw(c70.902,48.165) 70.902,45.625 96.475,45.625 ccw(c96.475,47.013) 97.457,46.032 99.225,47.8 ccw(c98.38,47.8) 98.978,48.397 92.5,54.875 94.831,57.206 ccw(c93.035,59.002) 95.575,59.002 95.575,60.648 ccw(c93.035,60.648) 94.831,62.444 86.2,71.075 ccw(c85.778,70.653) 85.778,71.25 83.025,71.25 ccw(c83.025,69.319) 81.659,70.684 79.05,68.075 77.784,68.075 ccw(c75.31,67.498) 77.106,69.294 74.25,72.15 69.469,67.369 ccw(c71.265,65.573) 68.75,65.217
GND on Bottom Layer "GND" (solid, remove dead copper, shelved, pour order 2): 0,221.125 0,221.1 0,0 386.65,0 386.65,221.125
GND on Top Layer "GND_L01_P005" (solid, pour order 5): 63.825,46.325 64.875,44.225 65.875,45.1 65.875,45.85 65.875,46.075 65.875,72.875 64.475,72.875 63.95,72.35 63.95,46.325

## Silkscreen, mask and mechanical layers (free items; w line width, h text height)
Top Overlay:
  lines w0.254: 252.275,117.025 378.6,117.025 378.6,137.025 252.275,137.025 252.275,117.025

## Text inside footprints (layer, text, board x,y; h text height)
C117: Top Overlay "+" at 368.125,193.925 h3
C118: Top Overlay "+" at 267.55,196.15 h3 r180